# KiCad board poly_kb_molecule_7x5_wave_left.kicad_pcb (continued)
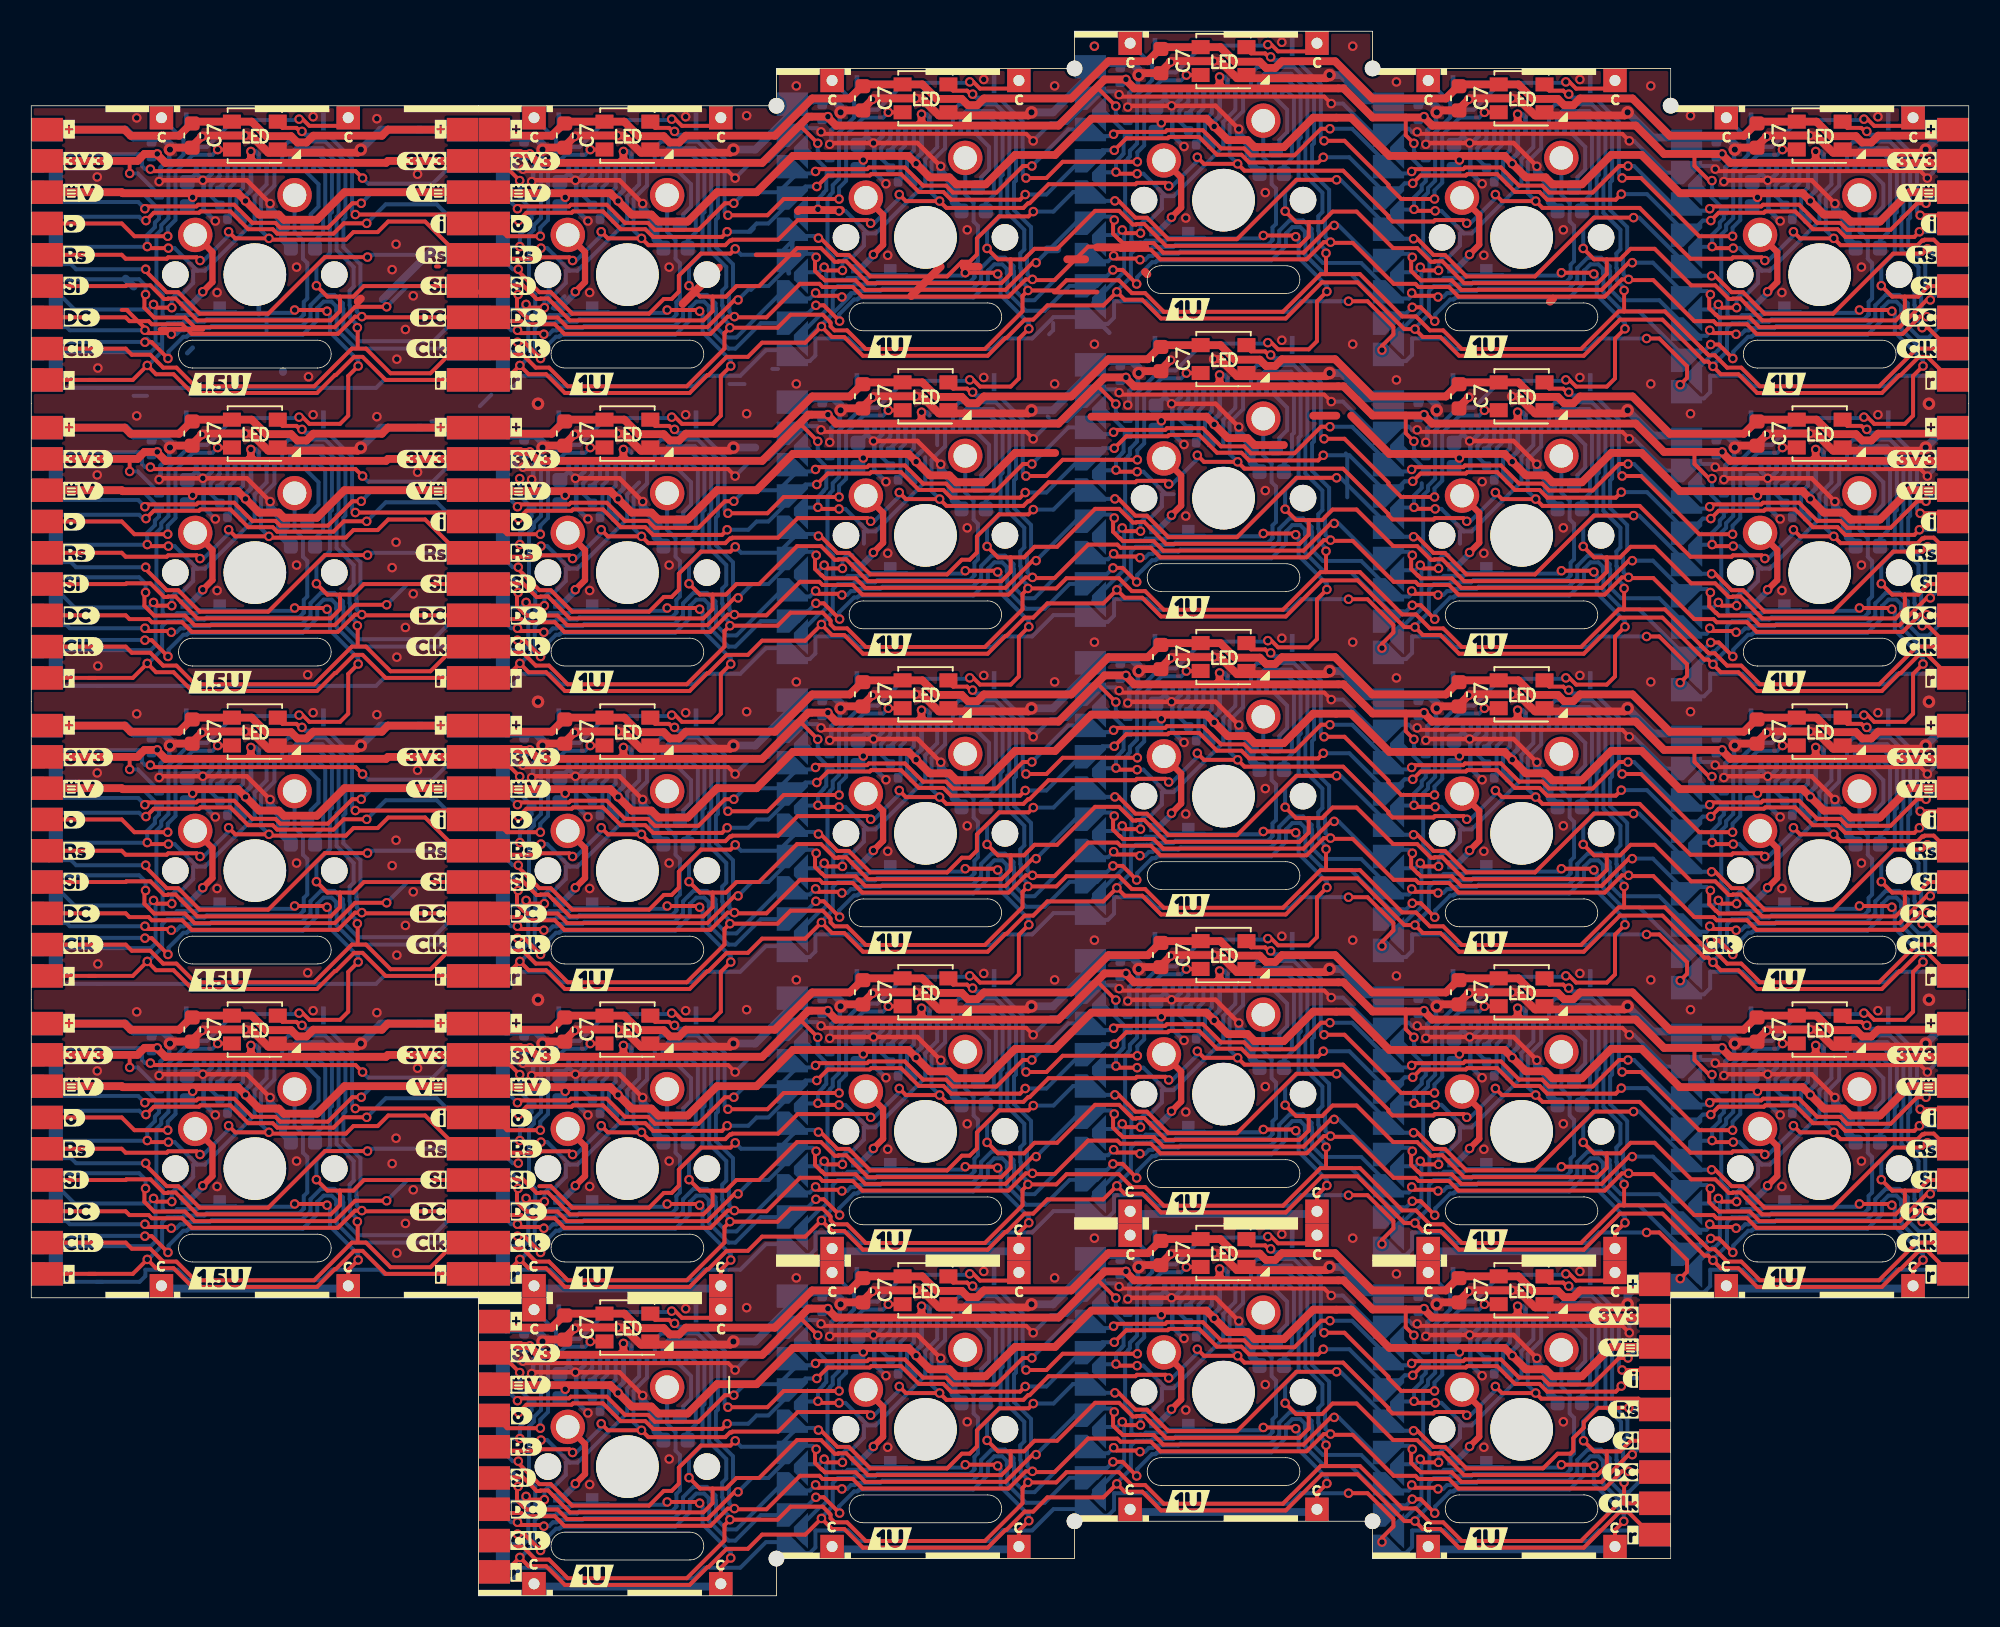
[diagram p0: board, top side]
## Routing (per net, layer and track width the routed paths; a pad name or vN(x,y) marks a point on that pad's centre or on a via; arc(x,y) is an arc through that point) (continued)
/Keyboard/sheet605ED2EB/GND: length 1633.5
  Top w0.254: v1(69.53,38.81) 69.65,38.69 82.64,38.69 v1(83.08,38.24) ; v1(83.08,57.29) 82.64,57.74 69.65,57.74 v1(69.53,57.86) ; v1(121.18,90.63) 120.74,91.07 107.75,91.07 v1(107.62,91.2) ; v1(44.98,52.53) 44.54,52.97 31.55,52.97 v1(31.42,53.1) ; v1(50.47,74.53) 50.6,74.4 63.59,74.4 v1(64.03,73.96) ; v1(102.13,16.81) 101.69,17.25 88.7,17.25 v1(88.58,17.38) ; v1(31.42,15) 31.55,14.87 44.54,14.87 v1(44.98,14.43) ; v1(88.58,36.43) 88.7,36.3 101.69,36.3 v1(102.13,35.86) ; v1(121.18,71.58) 120.74,72.02 107.75,72.02 v1(107.62,72.15) ; v1(88.58,74.53) 88.7,74.4 101.69,74.4 v1(102.13,73.96) ; v1(50.47,93.58) 50.6,93.45 63.59,93.45 v1(64.03,93.01) ; v1(121.18,52.53) 120.74,52.97 107.75,52.97 v1(107.62,53.1) ; v1(69.53,76.91) 69.65,76.79 82.64,76.79 v1(83.08,76.34) ; v1(50.47,17.38) 50.6,17.25 63.59,17.25 v1(64.03,16.81) ; v1(102.13,93.01) 101.69,93.45 88.7,93.45 v1(88.58,93.58) ; v1(83.08,19.19) 82.64,19.64 69.65,19.64 v1(69.53,19.76) ; v1(121.18,33.48) 120.74,33.92 107.75,33.92 v1(107.62,34.05) ; v1(31.42,72.15) 31.55,72.02 44.54,72.02 v1(44.98,71.58) ; v1(83.08,95.39) 82.64,95.84 69.65,95.84 v1(69.53,95.96) ; v1(64.03,35.86) 63.59,36.3 50.6,36.3 v1(50.47,36.43) ; v1(64.03,54.91) 63.59,55.35 50.6,55.35 v1(50.47,55.48) ; v1(88.58,55.48) 88.7,55.35 101.69,55.35 v1(102.13,54.91) ; v1(31.42,34.05) 31.55,33.92 44.54,33.92 v1(44.98,33.48) ; v1(31.42,91.2) 31.55,91.07 44.54,91.07 v1(44.98,90.63)
  Top w0.292: 89.11,54.69 89.19,54.77 v1(91.93,54.77) 94.74,54.77 v1(96.22,53.28) ; v1(77.17,93.76) 75.69,95.25 v1(72.88,95.25) 70.14,95.25 70.06,95.17 ; 8.15,33.26 8.22,33.34 v1(10.97,33.34) 13.78,33.34 v1(15.26,31.85) ; 31.96,52.31 32.04,52.39 v1(34.78,52.39) 37.59,52.39 v1(39.08,50.9) ; v1(77.17,36.61) 75.69,38.1 v1(72.88,38.1) 70.14,38.1 70.06,38.02 ; 31.96,90.41 32.04,90.49 v1(34.78,90.49) 37.59,90.49 v1(39.08,89) ; 31.96,33.26 32.04,33.34 v1(34.78,33.34) 37.59,33.34 v1(39.08,31.85) ; 70.06,18.97 70.14,19.05 v1(72.88,19.05) 75.69,19.05 v1(77.17,17.56) ; v1(115.27,31.85) 113.79,33.34 v1(110.98,33.34) 108.24,33.34 108.16,33.26 ; 31.96,14.21 32.04,14.29 v1(34.78,14.29) 37.59,14.29 v1(39.08,12.8) ; v1(77.17,55.66) 75.69,57.15 v1(72.88,57.15) 70.14,57.15 70.06,57.07 ; v1(53.83,73.82) 56.64,73.82 v1(58.12,72.33) ; v1(96.22,91.38) 94.74,92.87 v1(91.93,92.87) 89.19,92.87 89.11,92.79 ; 51.01,16.59 51.09,16.67 v1(53.83,16.67) 56.64,16.67 v1(58.12,15.18) ; 51.01,92.79 51.09,92.87 v1(53.83,92.87) 56.64,92.87 v1(58.12,91.38) ; v1(96.22,34.23) 94.74,35.72 v1(91.93,35.72) 89.19,35.72 89.11,35.64 ; 108.16,71.36 108.24,71.44 v1(110.98,71.44) 113.79,71.44 v1(115.27,69.95) ; 108.16,52.31 108.24,52.39 v1(110.98,52.39) 113.79,52.39 v1(115.27,50.9) ; 108.16,90.41 108.24,90.49 v1(110.98,90.49) 113.79,90.49 v1(115.27,89) ; v1(15.26,89) 13.78,90.49 v1(10.97,90.49) 8.22,90.49 8.15,90.41 ; 32.04,71.44 31.96,71.36 ; 51.01,35.64 51.09,35.72 v1(53.83,35.72) 56.64,35.72 v1(58.12,34.23) ; 8.15,71.36 8.22,71.44 v1(10.97,71.44) 13.78,71.44 v1(15.26,69.95) ; v1(34.78,71.44) 37.59,71.44 v1(39.08,69.95) ; 51.09,73.82 51.01,73.74 ; 10.97,80.96 8.22,80.96 ; v1(77.17,74.71) 75.69,76.2 v1(72.88,76.2) ; 89.11,16.59 89.19,16.67 v1(91.93,16.67) 94.74,16.67 v1(96.22,15.18) ; v1(15.26,50.9) 13.78,52.39 v1(10.97,52.39) 8.22,52.39 8.15,52.31 ; v1(91.93,73.82) 94.74,73.82 v1(96.22,72.33) ; v1(58.12,53.28) 56.64,54.77 v1(53.83,54.77) 51.09,54.77 51.01,54.69 ; 49.07,85.72 46.32,85.72 ; 89.19,73.82 89.11,73.74 ; 70.14,76.2 70.06,76.12
  Top w0.5: v2(102.03,75.78) 101.83,75.59 96.1,75.59 95.01,76.68 ; 91.93,76.68 v1(91.87,76.61) 91.16,75.91 ; 120.88,73.2 115.15,73.2 114.06,74.29 v1(113.67,74.29) 110.98,74.29 v1(110.92,74.23) 110.21,73.53 109.08,73.53 ; 109.08,35.43 110.21,35.43 v1(110.92,36.13) 110.98,36.19 v1(113.67,36.19) 114.06,36.19 115.15,35.1 120.88,35.1 v2(121.08,35.3) ; v2(63.92,18.63) 63.73,18.44 58,18.44 56.91,19.53 v1(56.52,19.53) 53.83,19.53 v1(53.77,19.46) 53.06,18.76 51.93,18.76 ; v2(21.06,92.45) 20.87,92.25 15.14,92.25 14.05,93.35 v1(13.65,93.35) 10.97,93.35 v1(10.9,93.28) 10.2,92.58 9.06,92.58 ; v2(44.88,54.35) 44.68,54.15 38.95,54.15 37.86,55.24 v1(37.46,55.24) 34.78,55.24 v1(34.72,55.18) 34.01,54.48 32.88,54.48 ; 70.98,78.29 72.11,78.29 v1(72.82,78.99) ; v2(21.06,54.35) 20.87,54.15 15.14,54.15 14.05,55.25 v1(13.65,55.25) 10.97,55.25 v1(10.9,55.18) 10.2,54.48 9.06,54.48 ; 70.98,21.14 72.11,21.14 v1(72.82,21.84) 72.88,21.91 v1(75.56,21.91) 75.96,21.91 77.05,20.82 82.78,20.82 v2(82.97,21.01) ; 32.88,73.53 34.01,73.53 v1(34.72,74.23) 34.78,74.29 v1(37.46,74.29) 37.86,74.29 38.95,73.2 44.68,73.2 ; v2(21.06,35.3) 20.87,35.1 15.14,35.1 14.05,36.2 v1(13.65,36.2) 10.97,36.2 v1(10.9,36.13) 10.2,35.43 9.06,35.43 ; 71.2,86.2 68.12,86.2 ; 70.98,59.24 72.11,59.24 v1(72.82,59.94) 72.88,60.01 v1(75.56,60.01) 75.96,60.01 77.05,58.92 82.78,58.92 v2(82.97,59.11) ; v2(102.03,94.83) 101.83,94.64 96.1,94.64 95.01,95.73 v1(94.61,95.73) 91.93,95.73 v1(91.87,95.66) 91.16,94.96 90.03,94.96 ; v2(102.03,37.68) 101.83,37.49 96.1,37.49 95.01,38.58 v1(94.61,38.58) 91.93,38.58 v1(91.87,38.51) 91.16,37.81 90.03,37.81 ; v2(121.08,54.35) 120.88,54.15 115.15,54.15 114.06,55.24 v1(113.67,55.24) 110.98,55.24 v1(110.92,55.18) 110.21,54.48 109.08,54.48 ; 90.03,56.86 91.16,56.86 v1(91.87,57.56) 91.93,57.63 v1(94.61,57.63) 95.01,57.63 96.1,56.54 101.83,56.54 v2(102.03,56.73) ; 51.93,56.86 53.06,56.86 v1(53.77,57.56) 53.83,57.63 v1(56.52,57.63) 56.91,57.63 58,56.54 63.73,56.54 v2(63.92,56.73) ; v2(63.92,75.78) 63.73,75.59 58,75.59 56.91,76.68 v1(56.52,76.68) 53.83,76.68 v1(53.77,76.61) 53.06,75.91 51.93,75.91 ; 32.88,16.38 34.01,16.38 v1(34.72,17.08) 34.78,17.14 v1(37.46,17.14) 37.86,17.14 38.95,16.05 44.68,16.05 v2(44.88,16.25) ; 49,88.52 49.07,88.58 51.75,88.58 ; v2(63.92,94.83) 63.73,94.64 58,94.64 56.91,95.73 v1(56.52,95.73) 53.83,95.73 v1(53.77,95.66) 53.06,94.96 51.93,94.96 ; v2(102.03,18.63) 101.83,18.44 96.1,18.44 95.01,19.53 v1(94.61,19.53) 91.93,19.53 v1(91.87,19.46) 91.16,18.76 90.03,18.76 ; 32.88,35.43 34.01,35.43 v1(34.72,36.13) 34.78,36.19 v1(37.46,36.19) 37.86,36.19 38.95,35.1 44.68,35.1 v2(44.88,35.3) ; v2(82.97,78.16) 82.78,77.97 77.05,77.97 75.96,79.06 v1(75.56,79.06) ; v2(121.08,92.45) 120.88,92.25 115.15,92.25 114.06,93.34 v1(113.67,93.34) 110.98,93.34 v1(110.92,93.28) 110.21,92.58 109.08,92.58 ; v2(63.92,37.68) 63.73,37.49 58,37.49 56.91,38.58 v1(56.52,38.58) 53.83,38.58 v1(53.77,38.51) 53.06,37.81 51.93,37.81 ; v2(82.97,97.21) 82.78,97.02 77.05,97.02 75.96,98.11 v1(75.56,98.11) 72.88,98.11 v1(72.82,98.04) 72.11,97.34 70.98,97.34 ; v2(21.06,73.4) 20.87,73.2 15.14,73.2 14.05,74.3 v1(13.65,74.3) 10.97,74.3 v1(10.9,74.23) 10.2,73.53 9.06,73.53 ; 32.88,92.58 34.01,92.58 v1(34.72,93.28) 34.78,93.34 v1(37.46,93.34) 37.86,93.34 38.95,92.25 44.68,92.25 v2(44.88,92.45) ; 70.98,40.19 72.11,40.19 v1(72.82,40.89) 72.88,40.96 v1(75.56,40.96) 75.96,40.96 77.05,39.87 82.78,39.87 v2(82.97,40.06) ; 97.07,82.73 97.26,82.93 ; 20.87,82.73 21.06,82.93 ; 66.21,85.43 67.35,85.43
  Bottom w0.254: v1(102.13,93.01) 102.43,93.01 104.47,90.97 105.89,90.97 106.32,91.4 107.42,91.4 v1(107.62,91.2) ; 29.84,34.58 30.28,35.01 30.71,35.01 30.89,34.82 30.89,34.25 31.09,34.05 v1(31.42,34.05) ; v1(83.08,19.19) 83.83,19.19 85.86,17.16 86.84,17.16 87.27,17.59 88.04,17.59 88.24,17.38 v1(88.58,17.38) ; v1(44.98,52.53) 46.08,53.62 47.11,53.62 48.74,55.26 ; v1(64.03,73.96) 65.17,75.09 66.2,75.09 67.79,76.69 ; 85.36,76.63 84.96,76.63 ; v1(50.47,17.38) 50.24,17.62 49.03,17.62 ; v1(50.47,93.58) 50.24,93.82 49.03,93.82 ; 49.03,55.72 50.24,55.72 v1(50.47,55.48) ; 29.84,15.52 30.28,15.96 30.71,15.96 30.89,15.77 30.89,15.2 31.09,15 v1(31.42,15) ; v1(64.03,35.86) 65.17,36.99 66.2,36.99 67.79,38.59 ; v1(83.08,38.24) 83.83,38.24 85.86,36.21 86.84,36.21 87.27,36.64 88.04,36.64 88.24,36.43 v1(88.58,36.43) ; v1(88.58,55.48) 88.24,55.48 88.04,55.69 87.27,55.69 86.84,55.26 85.86,55.26 83.83,57.29 v1(83.08,57.29) ; 122.55,34.58 122.28,34.58 v1(121.18,33.48) ; 48.74,93.36 47.11,91.72 46.08,91.72 v1(44.98,90.63) ; v1(31.42,72.15) 31.09,72.15 30.89,72.35 30.89,72.92 30.71,73.11 30.28,73.11 29.84,72.67 ; 67.79,19.54 66.2,17.94 65.17,17.94 v1(64.03,16.81) ; 122.55,53.62 122.28,53.62 v1(121.18,52.53) ; v1(69.53,76.91) 69.32,77.12 68.22,77.12 ; v1(64.03,54.91) 65.17,56.04 66.2,56.04 67.79,57.64 ; 103.76,17.91 102.72,17.91 102.13,17.32 v1(102.13,16.81) ; v1(44.98,14.43) 46.08,15.52 47.11,15.52 48.74,17.16 ; 49.03,36.67 50.24,36.67 v1(50.47,36.43) ; v1(121.18,90.63) 122.28,91.72 122.55,91.72 ; 25.58,75.08 26.54,75.08 ; 68.22,96.17 69.32,96.17 v1(69.53,95.96) ; 68.22,39.02 69.32,39.02 v1(69.53,38.81) ; v1(88.58,74.53) 88.24,74.53 88.04,74.74 87.27,74.74 86.84,74.31 85.86,74.31 83.83,76.34 v1(83.08,76.34) ; 68.22,58.07 69.32,58.07 v1(69.53,57.86) ; 122.55,72.67 122.28,72.67 v1(121.18,71.58) ; v1(50.47,74.53) 50.24,74.77 49.03,74.77 ; v1(107.62,72.15) 107.42,72.35 106.32,72.35 105.89,71.92 104.47,71.92 102.43,73.96 v1(102.13,73.96) ; 29.84,53.62 30.28,54.06 30.71,54.06 30.89,53.87 30.89,53.3 31.09,53.1 v1(31.42,53.1) ; 67.79,95.74 66.2,94.14 65.17,94.14 v1(64.03,93.01) ; v1(44.98,71.58) 46.08,72.67 47.11,72.67 48.74,74.31 ; 48.74,36.21 47.11,34.58 46.08,34.58 v1(44.98,33.48) ; v1(31.42,91.2) 31.09,91.2 30.89,91.4 30.89,91.97 30.71,92.16 30.28,92.16 29.84,91.72 ; 68.22,19.97 69.32,19.97 v1(69.53,19.76) ; v1(83.08,95.39) 83.83,95.39 85.86,93.36 86.84,93.36 87.27,93.79 88.04,93.79 88.24,93.58 v1(88.58,93.58) ; v1(102.13,54.91) 102.43,54.91 104.47,52.88 105.89,52.88 106.32,53.3 107.42,53.3 v1(107.62,53.1) ; v1(107.62,34.05) 107.42,34.25 106.32,34.25 105.89,33.83 104.47,33.83 102.43,35.86 v1(102.13,35.86)
  Bottom w0.292: 91.5,36.15 91.93,35.73 v1(91.93,35.72) ; 91.5,36.15 J1#18.1 ; 91.5,36.15 91.14,35.8 90.93,35.8 ; J1#5.3 73.45,95.69 73.01,95.25 v1(72.88,95.25) ; v1(34.78,71.44) 34.78,71.44 34.35,71.87 ; v1(34.78,71.44) 34.91,71.44 35.35,71.88 J1#8.3 ; v1(34.78,71.44) 34.82,71.39 34.82,69.57 35.56,68.83 ; v1(91.93,54.77) 92.06,54.77 92.5,55.21 J1#9.3 ; v1(91.93,54.77) 91.93,54.78 91.5,55.2 ; v1(91.93,54.77) 91.97,54.72 91.97,52.9 92.71,52.17 ; v1(10.97,52.39) 11.1,52.39 11.54,52.83 J1#15.3 ; v1(10.97,52.39) 10.97,52.39 10.54,52.82 ; v1(10.97,52.39) 11.01,52.34 11.01,50.52 11.75,49.78 ; 71.88,76.28 72.09,76.28 72.45,76.63 72.88,76.21 v1(72.88,76.2) ; 34.35,52.82 33.99,52.46 33.78,52.46 ; 34.35,52.82 J1#14.1 ; 34.35,52.82 34.78,52.39 v1(34.78,52.39) ; 92.71,14.07 91.97,14.8 91.97,16.62 v1(91.93,16.67) ; v2(89.83,56.73) 89.78,56.68 89.78,56.13 89.22,55.58 89.22,54.81 89.11,54.69 ; J1#17.3 54.4,93.31 53.96,92.87 v1(53.83,92.87) ; v1(72.88,38.1) 72.88,38.11 72.45,38.53 ; v1(72.88,38.1) 72.92,38.05 72.92,36.23 73.66,35.5 ; v1(72.88,38.1) 73.01,38.1 73.45,38.54 J1#21.3 ; 35.56,87.88 34.82,88.62 34.82,90.44 v1(34.78,90.49) ; 109.98,90.56 110.19,90.56 110.55,90.92 ; 9.97,52.46 10.18,52.46 10.54,52.82 ; v2(32.67,35.3) 32.62,35.25 32.62,34.7 32.07,34.15 32.07,33.38 31.96,33.26 ; v1(10.97,71.44) 11.01,71.39 11.01,69.57 11.75,68.83 ; v1(10.97,71.44) 10.97,71.44 10.54,71.87 ; v1(10.97,71.44) 11.1,71.44 11.54,71.88 J1#24.3 ; 51.01,16.59 51.12,16.71 51.12,17.48 51.67,18.03 51.67,18.58 v2(51.72,18.63) ; J1#28.1 10.54,90.92 ; 10.54,90.92 10.97,90.49 v1(10.97,90.49) ; 10.54,90.92 10.18,90.56 9.97,90.56 ; 73.66,92.65 72.92,93.38 72.92,95.2 v1(72.88,95.25) ; v1(110.98,90.49) 111.11,90.49 111.55,90.92 J1#7.3 ; v1(110.98,90.49) 110.98,90.49 110.55,90.92 ; v1(110.98,90.49) 111.02,90.44 111.02,88.62 111.76,87.88 ; 72.45,57.58 72.09,57.23 71.88,57.23 ; 72.45,57.58 72.88,57.16 v1(72.88,57.15) ; 72.45,57.58 J1#10.1 ; 70.06,76.12 70.17,76.24 70.17,77.01 70.72,77.56 70.72,78.11 v2(70.78,78.16) ; J1#5.1 72.45,95.68 ; 72.45,95.68 72.88,95.26 v1(72.88,95.25) ; 72.45,95.68 72.09,95.33 71.88,95.33 ; 34.35,33.77 34.78,33.34 v1(34.78,33.34) ; 34.35,33.77 J1#20.1 ; 34.35,33.77 33.99,33.41 33.78,33.41 ; J1#2.3 92.5,17.11 92.06,16.67 v1(91.93,16.67) ; v1(110.98,71.44) 110.98,71.44 110.55,71.87 J1#23.1 ; v1(110.98,71.44) 111.02,71.39 111.02,69.57 111.76,68.83 ; v1(110.98,71.44) 111.11,71.44 111.55,71.88 J1#23.3 ; v1(72.88,19.05) 73.01,19.05 73.45,19.49 J1#25.3 ; v1(72.88,19.05) 72.88,19.06 72.45,19.48 ; v1(72.88,19.05) 72.92,19 72.92,17.18 73.66,16.45 ; 91.5,17.1 91.93,16.68 v1(91.93,16.67) ; 91.5,17.1 91.14,16.75 90.93,16.75 ; 91.5,17.1 J1#2.1 ; v2(70.78,97.21) 70.72,97.16 70.72,96.61 70.17,96.06 70.17,95.29 70.06,95.17 ; 91.97,71.95 91.97,73.77 v1(91.93,73.82) ; J1#6.3 54.4,55.21 53.96,54.77 v1(53.83,54.77) ; 110.55,90.92 J1#7.1 ; v2(108.87,92.45) 108.83,92.4 108.83,91.85 108.27,91.3 108.27,90.53 108.16,90.41 ; 70.06,38.02 70.17,38.14 70.17,38.91 70.72,39.46 70.72,40.01 v2(70.78,40.06) ; v1(72.88,76.2) 73.01,76.2 73.45,76.64 J1#4.3 ; v1(72.88,76.2) 72.92,76.15 72.92,74.33 73.66,73.6 ; v1(91.93,73.82) 91.93,73.83 91.5,74.25 ; v1(91.93,73.82) 92.06,73.82 92.5,74.26 J1#3.3 ; v2(8.86,35.3) 8.81,35.25 8.81,34.7 8.26,34.15 8.26,33.38 8.15,33.26 ; J1#17.1 53.4,93.3 ; 53.4,93.3 53.83,92.88 v1(53.83,92.87) ; 53.4,93.3 53.04,92.95 52.83,92.95 ; J1#27.1 53.4,74.25 ; 53.4,74.25 53.83,73.83 v1(53.83,73.82) ; 53.4,74.25 53.04,73.9 ; 8.15,52.31 8.26,52.43 8.26,53.2 8.81,53.75 8.81,54.3 v2(8.86,54.35) ; 33.78,14.36 33.99,14.36 34.35,14.72 ; 54.61,52.17 53.88,52.9 53.88,54.72 v1(53.83,54.77) ; v1(110.98,52.39) 111.11,52.39 111.55,52.83 J1#19.3 ; v1(110.98,52.39) 111.02,52.34 111.02,50.52 111.76,49.78 ; v1(110.98,52.39) 110.98,52.39 110.55,52.82 ; 9.97,71.51 10.18,71.51 10.54,71.87 ; J1#26.3 111.55,33.77 111.11,33.34 v1(110.98,33.34) ; v2(70.78,21.01) 70.72,20.96 70.72,20.41 70.17,19.86 70.17,19.09 70.06,18.97 ; v2(32.67,54.35) 32.62,54.3 32.62,53.75 32.07,53.2 32.07,52.43 31.96,52.31 ; v1(34.78,14.29) 34.82,14.24 34.82,12.42 35.56,11.68 ; v1(34.78,14.29) 34.91,14.29 35.35,14.72 J1#11.3 ; v1(34.78,14.29) 34.78,14.29 34.35,14.72 ; J1#9.1 91.5,55.2 ; 91.5,55.2 91.14,54.85 90.93,54.85 ; v1(110.98,33.34) 110.98,33.34 110.55,33.77 ; v1(110.98,33.34) 111.02,33.29 111.02,31.47 111.76,30.73 ; v1(53.83,35.72) 53.88,35.67 53.88,33.85 54.61,33.12 ; v1(53.83,35.72) 53.83,35.73 53.4,36.15 ; v1(53.83,35.72) 53.96,35.72 54.4,36.16 J1#13.3 ; 51.01,92.79 51.12,92.91 51.12,93.68 51.67,94.23 51.67,94.78 v2(51.72,94.83) ; 52.83,54.85 53.04,54.85 53.4,55.2 ; v2(51.72,37.68) 51.67,37.63 51.67,37.08 51.12,36.53 51.12,35.76 51.01,35.64 ; 91.5,93.3 91.14,92.95 90.93,92.95 ; 91.5,93.3 91.93,92.88 v1(91.93,92.87) ; 91.5,93.3 J1#22.1 ; v1(53.83,54.77) 53.83,54.78 53.4,55.2 ; v2(89.83,18.63) 89.78,18.58 89.78,18.03 89.22,17.48 89.22,16.71 89.11,16.59 ; v1(53.83,92.87) 53.88,92.82 53.88,91 54.61,90.27 ; 72.45,38.53 72.09,38.18 71.88,38.18 ; 72.45,38.53 J1#21.1 ; J1#6.1 53.4,55.2 ; J1#10.3 73.45,57.59 73.01,57.15 v1(72.88,57.15) ; 8.15,71.36 8.26,71.48 8.26,72.25 8.81,72.8 8.81,73.35 v2(8.86,73.4) ; J1#26.1 110.55,33.77 ; 110.55,33.77 110.19,33.41 109.98,33.41 ; 108.16,71.36 108.27,71.48 108.27,72.25 108.83,72.8 108.83,73.35 v2(108.87,73.4) ; v2(108.87,35.3) 108.83,35.25 108.83,34.7 108.27,34.15 108.27,33.38 108.16,33.26 ; J1#19.1 110.55,52.82 ; 110.55,52.82 110.19,52.46 109.98,52.46 ; J1#11.1 34.35,14.72 ; 71.88,19.13 72.09,19.13 72.45,19.48 ; 48.64,86.68 48.64,86.16 ; v1(10.97,90.49) 11.1,90.49 11.54,90.93 J1#28.3 ; v1(10.97,90.49) 11.01,90.44 11.01,88.62 11.75,87.88 ; 30.59,84.3 30.59,83.78 ; 10.54,71.87 J1#24.1 ; 72.45,19.48 J1#25.1 ; 89.11,92.79 89.22,92.91 89.22,93.68 89.78,94.23 89.78,94.78 v2(89.83,94.83) ; v1(72.88,57.15) 72.92,57.1 72.92,55.28 73.66,54.55 ; 34.35,71.87 33.99,71.51 33.78,71.51 ; 34.35,71.87 J1#8.1 ; v1(91.93,92.87) 92.06,92.87 92.5,93.31 J1#22.3 ; v1(91.93,92.87) 91.97,92.82 91.97,91 92.71,90.27 ; v2(32.67,92.45) 32.62,92.4 32.62,91.85 32.07,91.3 32.07,90.53 31.96,90.41 ; v2(89.83,75.78) 89.78,75.73 89.78,75.18 89.22,74.63 89.22,73.86 89.11,73.74 ; v1(53.83,73.82) 53.88,73.77 53.88,71.95 54.61,71.22 ; v1(53.83,73.82) 53.96,73.82 54.4,74.26 ; J1#12.3 54.4,17.11 53.96,16.67 v1(53.83,16.67) ; J1#18.3 92.5,36.16 92.06,35.72 v1(91.93,35.72) ; 31.96,71.36 32.07,71.48 32.07,72.25 32.62,72.8 32.62,73.35 v2(32.67,73.4) ; v1(53.83,16.67) 53.83,16.68 53.4,17.1 ; v1(53.83,16.67) 53.88,16.62 53.88,14.8 54.61,14.07 ; v2(8.86,92.45) 8.81,92.4 8.81,91.85 8.26,91.3 8.26,90.53 8.15,90.41 ; v1(34.78,52.39) 34.91,52.39 35.35,52.83 J1#14.3 ; v1(34.78,52.39) 34.82,52.34 34.82,50.52 35.56,49.78 ; 33.78,90.56 33.99,90.56 34.35,90.92 ; J1.1 34.35,90.92 ; 34.35,90.92 34.78,90.49 v1(34.78,90.49) ; v1(91.93,35.72) 91.97,35.67 91.97,33.85 92.71,33.12 ; 31.96,14.21 32.07,14.33 32.07,15.1 32.62,15.65 32.62,16.2 v2(32.67,16.25) ; J1#13.1 53.4,36.15 ; 53.4,36.15 53.04,35.8 52.83,35.8 ; J1#3.1 91.5,74.25 ; 91.5,74.25 91.14,73.9 90.93,73.9 ; v1(10.97,33.34) 11.1,33.34 11.54,33.78 J1#16.3 ; v1(10.97,33.34) 11.01,33.29 11.01,31.47 11.75,30.73 ; v1(10.97,33.34) 10.97,33.34 10.54,33.77 ; v2(70.78,59.11) 70.72,59.06 70.72,58.51 70.17,57.96 70.17,57.19 70.06,57.07 ; 10.54,33.77 10.18,33.41 9.97,33.41 ; 10.54,33.77 J1#16.1 ; J1#20.3 35.35,33.77 34.91,33.34 v1(34.78,33.34) ; v1(34.78,33.34) 34.82,33.29 34.82,31.47 35.56,30.73 ; 109.98,71.51 110.19,71.51 ; 51.01,73.74 51.12,73.86 51.12,74.63 51.67,75.18 51.67,75.73 v2(51.72,75.78) ; v1(34.78,90.49) 34.91,90.49 35.35,90.92 J1.3 ; 86.38,81.04 86.74,81.4 ; v2(51.72,56.73) 51.67,56.68 51.67,56.13 51.12,55.58 51.12,54.81 51.01,54.69 ; 89.11,35.64 89.22,35.76 89.22,36.53 89.78,37.08 89.78,37.63 v2(89.83,37.68) ; J1#15.1 10.54,52.82 ; 53.4,17.1 53.04,16.75 52.83,16.75 ; 53.4,17.1 J1#12.1 ; 29.02,83.37 29.23,83.37 ; v2(108.87,54.35) 108.83,54.3 108.83,53.75 108.27,53.2 108.27,52.43 108.16,52.31
  Bottom w0.5: v2(82.97,59.11) 83.73,59.11 85.35,57.5 88.75,57.5 ; v1(39.08,89) 39.08,88.65 39.9,87.82 39.9,87.76 ; 116.1,87.76 116.1,87.82 115.27,88.65 v1(115.27,89) ; v2(63.92,75.78) 65.3,75.78 68.45,78.93 69.7,78.93 ; C3#17.2 7.79,54.95 7.79,55.12 ; 31.6,74.17 32.24,74.17 32.67,73.73 v2(32.67,73.4) ; 31.6,74.17 30.35,74.17 ; 31.6,74.17 31.6,73.99 C3#28.2 ; C3#8.2 31.6,16.84 31.6,17.02 ; 107.8,55.12 103.64,55.12 v2(102.03,56.73) ; 107.8,55.12 108.44,55.12 108.87,54.68 v2(108.87,54.35) ; 107.8,55.12 107.8,54.94 C3#16.2 ; 88.75,95.6 89.39,95.6 89.83,95.16 v2(89.83,94.83) ; 88.75,95.6 88.75,95.43 C3#10.2 ; 88.75,95.6 85.35,95.6 83.73,97.21 v2(82.97,97.21) ; 97.54,88.61 97.05,89.1 97.05,90.14 ; v2(51.72,94.83) 51.72,95.16 51.29,95.6 50.65,95.6 ; v1(96.22,15.18) 96.22,14.83 97.05,14.01 97.05,13.94 ; v2(89.83,75.78) 89.83,76.11 89.39,76.55 ; 39.9,49.66 39.9,49.72 39.08,50.55 v1(39.08,50.9) ; 78,54.42 78,54.49 77.17,55.31 v1(77.17,55.66) ; 31.6,55.12 32.24,55.12 32.67,54.68 v2(32.67,54.35) ; 31.6,55.12 30.35,55.12 29.84,55.62 ; 31.6,55.12 31.6,54.94 C3#15.2 ; 39.9,30.61 39.9,29.57 40.39,29.08 ; v1(58.12,53.28) 58.12,52.93 58.95,52.11 58.95,52.04 ; 24.92,74.68 24.72,74.68 ; C3#27.2 88.75,57.33 88.75,57.5 ; 59.44,88.61 58.95,89.1 58.95,90.14 ; C3#14.2 107.8,93.04 107.8,93.22 ; v2(102.03,75.78) 103.64,74.17 107.8,74.17 ; 116.59,29.08 116.1,29.57 116.1,30.61 ; 107.8,36.07 103.64,36.07 v2(102.03,37.68) ; 107.8,36.07 107.8,35.89 C3#25.2 ; 107.8,36.07 108.44,36.07 108.87,35.63 v2(108.87,35.3) ; 49.98,76.55 49.4,76.55 ; 49.98,76.55 49.42,76.55 ; 49.98,76.55 50.65,76.55 ; C3#11.2 69.7,78.76 69.7,78.93 ; 69.7,40.83 69.7,40.66 C3#6.2 ; 69.7,40.83 70.34,40.83 70.78,40.39 v2(70.78,40.06) ; 69.7,40.83 68.45,40.83 65.3,37.68 v2(63.92,37.68) ; 78,16.32 78,16.39 77.17,17.21 v1(77.17,17.56) ; 58.95,71.09 58.95,70.05 59.44,69.56 ; 29.84,93.72 30.35,93.22 31.6,93.22 ; 16.57,29.08 16.08,29.57 16.08,30.61 ; 49.98,57.5 49.42,57.5 46.28,54.35 v2(44.88,54.35) ; 49.98,57.5 50.65,57.5 ; 49.98,57.5 49.4,57.5 ; 49.98,95.6 50.65,95.6 ; 49.98,95.6 49.42,95.6 46.28,92.45 v2(44.88,92.45) ; 49.98,95.6 49.4,95.6 ; 50.65,95.6 50.65,95.43 C3#2.2 ; J6#8.1 102.71,19.91 102.03,19.22 v2(102.03,18.63) ; 16.57,86.23 16.08,86.72 16.08,87.76 ; 59.44,31.46 58.95,31.95 58.95,32.99 ; 7.79,36.07 8.42,36.07 8.86,35.63 v2(8.86,35.3) ; 7.79,36.07 7.79,35.9 C3#19.2 ; 7.79,36.07 6.54,36.07 6.03,36.58 J5#2.1 ; 16.57,48.13 16.08,48.62 16.08,49.66 ; v2(51.72,18.63) 51.72,18.96 51.29,19.4 50.65,19.4 ; 40.39,48.13 39.9,48.62 39.9,49.66 ; C3#7.2 88.75,76.38 88.75,76.55 85.35,76.55 83.73,78.16 v2(82.97,78.16) ; 16.09,49.66 16.09,49.73 15.26,50.55 v1(15.26,50.9) ; C3#4.2 69.7,97.81 69.7,97.98 ; 78,16.32 78,15.28 78.49,14.8 ; v2(63.92,18.63) 65.3,18.63 68.45,21.78 69.7,21.78 ; 59.44,12.41 58.95,12.9 58.95,13.94 ; J5#24.1 6.03,55.63 6.54,55.12 7.79,55.12 ; 69.7,97.98 70.34,97.98 70.78,97.54 v2(70.78,97.21) ; 69.7,97.98 68.45,97.98 65.3,94.83 v2(63.92,94.83) ; 88.75,38.45 88.75,38.28 C3#20.2 ; 88.75,38.45 89.39,38.45 89.83,38.01 v2(89.83,37.68) ; 88.75,38.45 85.35,38.45 83.73,40.06 v2(82.97,40.06) ; C3#13.2 7.79,74 7.79,74.17 ; v2(21.06,35.3) 22.34,36.58 J6#4.1 ; v1(96.22,72.33) 96.22,71.98 97.05,71.16 97.05,71.09 ; 7.79,55.12 8.42,55.12 8.86,54.68 v2(8.86,54.35) ; C3#22.2 50.65,38.28 50.65,38.45 ; v2(102.03,94.83) 103.64,93.22 107.8,93.22 ; 50.65,57.5 50.65,57.33 C3#9.2 ; 50.65,57.5 51.29,57.5 51.72,57.06 v2(51.72,56.73) ; 7.79,93.22 6.54,93.22 6.03,93.73 J5#15.1 ; 7.79,93.22 8.42,93.22 8.86,92.78 v2(8.86,92.45) ; 7.79,93.22 7.79,93.05 C3#24.2 ; 107.8,74.17 108.44,74.17 108.87,73.73 v2(108.87,73.4) ; 107.8,74.17 107.8,73.99 C3#18.2 ; 31.6,36.07 31.6,35.89 C3#23.2 ; 31.6,36.07 32.24,36.07 32.67,35.63 v2(32.67,35.3) ; 31.6,36.07 30.35,36.07 29.84,36.58 ; v2(121.08,54.35) 122.35,55.62 122.55,55.62 ; 78,35.37 78,34.33 78.49,33.85 ; 116.1,49.66 116.1,49.72 115.27,50.55 v1(115.27,50.9) ; 40.39,67.18 39.9,67.67 39.9,68.71 ; 31.6,93.22 32.24,93.22 32.67,92.78 v2(32.67,92.45) ; 31.6,93.22 31.6,93.04 C3.2 ; C3#26.2 88.75,19.23 88.75,19.4 ; 31.6,17.02 32.24,17.02 32.67,16.58 v2(32.67,16.25) ; 31.6,17.02 30.35,17.02 29.84,17.52 ; v2(82.97,21.01) 83.73,21.01 85.35,19.4 88.75,19.4 ; 49.4,19.4 49.98,19.4 ; 39.9,87.76 39.9,86.72 40.39,86.23 ; v2(44.88,35.3) 46.28,35.3 49.42,38.45 49.98,38.45 ; 16.09,78.23 16.09,78.3 ; v2(8.86,73.4) 8.86,73.73 8.42,74.17 7.79,74.17 ; v2(51.72,75.78) 51.72,76.11 51.29,76.55 50.65,76.55 ; 50.65,38.45 51.29,38.45 51.72,38.01 v2(51.72,37.68) ; 50.65,38.45 49.98,38.45 ; 58.95,13.94 58.95,14.01 58.12,14.83 v1(58.12,15.18) ; 69.7,78.93 70.34,78.93 70.78,78.49 v2(70.78,78.16) ; 97.54,50.51 97.05,51 97.05,52.04 ; 78,73.47 78,73.54 77.17,74.36 v1(77.17,74.71) ; C3#12.2 50.65,19.23 50.65,19.4 ; 78,73.47 78,72.43 78.49,71.95 ; 78.49,91 78,91.48 78,92.52 ; 39.9,11.56 39.9,11.62 39.08,12.45 v1(39.08,12.8) ; 6.03,84.2 6.54,83.69 ; 107.8,93.22 108.44,93.22 108.87,92.78 v2(108.87,92.45) ; 69.7,59.88 70.34,59.88 70.78,59.44 v2(70.78,59.11) ; 69.7,59.88 68.45,59.88 65.3,56.73 v2(63.92,56.73) ; 69.7,59.88 69.7,59.71 C3#21.2 ; 97.54,69.56 97.05,70.05 97.05,71.09 ; v2(70.78,21.01) 70.78,21.34 70.34,21.78 69.7,21.78 ; 97.05,90.14 97.05,90.21 96.22,91.03 v1(96.22,91.38) ; 78,35.37 78,35.44 77.17,36.26 v1(77.17,36.61) ; 58.95,90.14 58.95,90.21 58.12,91.03 v1(58.12,91.38) ; v1(115.27,31.85) 115.27,31.5 116.1,30.67 116.1,30.61 ; 116.59,67.18 116.1,67.67 116.1,68.71 ; v1(39.08,31.85) 39.08,31.5 39.9,30.67 39.9,30.61 ; 16.08,68.71 16.08,67.67 16.57,67.18 ; J6.1 22.34,55.63 v2(21.06,54.35) ; 78.49,52.9 78,53.38 78,54.42 ; 116.59,48.13 116.1,48.62 116.1,49.66 ; v2(44.88,73.4) 46.28,73.4 ; 58.95,32.99 58.95,33.06 58.12,33.88 v1(58.12,34.23) ; 49.98,38.45 49.4,38.45 ; v2(89.83,56.73) 89.83,57.06 89.39,57.5 88.75,57.5 ; v2(89.83,18.63) 89.83,18.96 89.39,19.4 88.75,19.4 ; 39.9,11.56 39.9,10.52 40.39,10.03 ; v1(115.27,69.95) 115.27,69.6 116.1,68.78 116.1,68.71 ; 116.1,87.76 116.1,86.72 116.59,86.23 ; 64.94,86.07 65.57,86.07 ; 24.92,36.58 24.72,36.58 ; v1(58.12,72.33) 58.12,71.98 58.95,71.16 58.95,71.09 ; v2(121.08,73.4) 122.35,74.67 122.55,74.67 ; 97.05,32.99 97.05,31.95 97.54,31.46 ; 50.65,76.55 50.65,76.38 C3#3.2 ; 24.92,55.63 24.72,55.63 ; 50.65,19.4 49.98,19.4 ; v2(121.08,92.45) 122.35,93.72 122.55,93.72 ; v2(21.06,92.45) 22.34,93.73 J6#2.1 ; 97.54,12.41 97.05,12.9 97.05,13.94 ; 97.05,52.04 97.05,52.11 96.22,52.93 v1(96.22,53.28) ; 39.9,68.78 39.08,69.6 v1(39.08,69.95) ; 69.7,21.78 69.7,21.61 C3#5.2 ; v1(15.26,89) 15.26,88.65 16.09,87.83 16.09,87.76 ; 7.79,74.17 6.54,74.17 6.03,74.68 J5#5.1 ; v1(96.22,34.23) 96.22,33.88 97.05,33.06 97.05,32.99 ; 49.98,19.4 49.42,19.4 46.28,16.25 v2(44.88,16.25) ; v2(121.08,35.3) 122.35,36.58 122.55,36.58 ; v1(77.17,93.76) 77.17,93.41 78,92.59 78,92.52 ; 59.44,50.51 58.95,51 58.95,52.04 ; 16.09,68.71 16.09,68.78 15.26,69.6 v1(15.26,69.95) ; J6#5.1 22.34,74.68 v2(21.06,73.4) ; 16.09,30.61 16.09,30.68 15.26,31.5 v1(15.26,31.85) ; 24.92,93.73 24.72,93.73
  vias: v1(4.21,90.7) v1(4.21,71.65) v1(4.21,52.6) v1(4.21,33.55) v1(4.25,78.49) v1(4.25,59.44) v1(4.25,40.39) v1(6.74,94.48) v1(6.74,75.43) v1(6.74,56.38) v1(6.74,37.33) v1(8.17,90.41) v1(8.17,71.36) v1(8.17,52.31) v1(8.17,33.26) v1(11.76,87.88) v1(11.76,68.83) v1(11.76,49.78) v1(11.76,30.73) v1(11.87,83.31) v1(11.87,64.26) v1(11.87,45.21) v1(11.87,26.16) v1(16.95,84.94) v1(16.95,65.89) v1(16.95,46.84) v1(16.95,27.79) v1(17.72,77.93) v1(17.67,58.88) v1(17.67,39.83) v1(18.01,94.55) v1(18.01,75.5) v1(18.01,56.45) v1(18.01,37.4) v1(22.09,94.43) v1(22.09,75.38) v1(22.09,56.33) v1(22.09,37.28) v1(23.06,84.78) v1(23.06,65.73) v1(23.06,46.68) v1(23.06,27.63) v1(23.31,86.4) v1(23.31,67.35) v1(23.31,48.3) v1(23.31,29.25) v1(23.36,79.05) v1(23.36,60) v1(23.36,40.95) v1(23.36,21.9) v1(23.91,80.95) v1(23.91,61.9) v1(23.91,42.85) v1(23.91,23.8) v1(24.41,83.1) v1(24.41,64.05) v1(24.41,45) v1(24.41,25.95) v1(24.69,90.88) v1(24.69,71.83) v1(24.69,52.78) v1(24.69,33.73) v1(31.98,90.41) v1(31.98,71.36) v1(31.98,52.31) v1(31.98,33.26) v1(31.98,14.21) v1(35.57,87.88) v1(35.57,68.83) v1(35.57,49.78) v1(35.57,30.73) v1(35.57,11.68) v1(35.69,83.31) v1(35.69,64.26) v1(35.69,45.21) v1(35.69,26.16) v1(35.69,7.11) v1(40.77,84.94) v1(40.77,65.89) v1(40.77,46.84) v1(40.77,27.79) v1(40.77,8.74) v1(41.83,94.55) v1(41.83,75.5) v1(41.83,56.45) v1(41.83,37.4) v1(41.83,18.35) v1(45.72,94.61) v1(45.72,75.56) v1(45.72,56.52) v1(45.72,37.47) v1(45.72,18.41) v1(48.89,96.52) v1(48.89,77.47) v1(48.89,58.42) v1(48.89,39.37) v1(48.89,20.32) v1(51.03,92.79) v1(51.03,73.74) v1(51.03,54.69) v1(51.03,35.64) v1(51.03,16.59) v1(54.62,90.27) v1(54.62,71.22) v1(54.62,52.17) v1(54.62,33.12) v1(54.62,14.07) v1(54.74,85.69) v1(54.74,66.64) v1(54.74,47.59) v1(54.74,28.54) v1(54.74,9.49) v1(59.82,87.32) v1(59.82,68.27) v1(59.82,49.22) v1(59.82,30.17) v1(59.82,11.12) v1(60.88,96.93) v1(60.88,77.88) v1(60.88,58.83) v1(60.88,39.78) v1(60.88,20.73) v1(65.41,96.52) v1(65.41,77.47) v1(65.41,58.42) v1(65.41,39.37) v1(65.41,20.32) v1(67.94,99.06) v1(67.94,80.01) v1(67.94,60.96) v1(67.94,41.91) v1(67.94,22.86) v1(70.08,95.17) v1(70.08,76.12) v1(70.08,57.07) v1(70.08,38.02) v1(70.08,18.97) v1(73.67,92.65) v1(73.67,73.6) v1(73.67,54.55) v1(73.67,35.5) v1(73.67,16.45) v1(73.79,88.07) v1(73.79,69.02) v1(73.79,49.97) v1(73.79,30.92) v1(73.79,11.87) v1(78.87,89.7) v1(78.87,70.65) v1(78.87,51.6) v1(78.87,32.55) v1(78.87,13.5) v1(79.92,99.31) v1(79.92,80.26) v1(79.92,61.21) v1(79.92,42.16) v1(79.92,23.11) v1(84.45,99.06) v1(84.45,80.01) v1(84.45,60.96) v1(84.45,41.91) v1(84.45,22.86) v1(87.25,96.77) v1(87.25,77.72) v1(87.25,58.67) v1(87.25,39.62) v1(87.25,20.57) v1(89.13,92.79) v1(89.13,73.74) v1(89.13,54.69) v1(89.13,35.64) v1(89.13,16.59) v1(92.72,90.27) v1(92.72,71.22) v1(92.72,52.17) v1(92.72,33.12) v1(92.72,14.07) v1(92.84,85.69) v1(92.84,66.64) v1(92.84,47.59) v1(92.84,28.54) v1(92.84,9.49) v1(94.61,76.68) v1(97.92,87.32) v1(97.92,68.27) v1(97.92,49.22) v1(97.92,30.17) v1(97.92,11.12) v1(98.97,96.93) v1(98.97,77.88) v1(98.97,58.83) v1(98.97,39.78) v1(98.97,20.73) v1(103.51,96.52) v1(103.51,77.47) v1(103.51,58.42) v1(103.51,39.37) v1(106.05,94.61) v1(106.05,75.56) v1(106.05,56.52) v1(106.05,37.47) v1(108.18,90.41) v1(108.18,71.36) v1(108.18,52.31) v1(108.18,33.26) v1(111.77,87.88) v1(111.77,68.83) v1(111.77,49.78) v1(111.77,30.73) v1(111.89,83.31) v1(111.89,64.26) v1(111.89,45.21) v1(111.89,26.16) v1(116.97,84.94) v1(116.97,65.89) v1(116.97,46.84) v1(116.97,27.79) v1(118.02,94.55) v1(118.02,75.5) v1(118.02,56.45) v1(118.02,37.4) v2(32.38,76.2) v2(32.38,57.15) v2(32.38,38.1) v2(121.29,76.2) v2(121.29,57.15) v2(121.29,38.1)
